# Altium PCB LimeSDR-X3_1v0.PcbDoc (part 15 of 25)
Units mm, origin at the board's own origin, x right, y up, seen from the top; angles counter-clockwise.
Board outline 232.5 x 111.15 mm, 12 copper layers (Top, L2, L3, L4, L5, L6, L7, L8, L9, L10, L11, Bottom), stack 1.596 mm thick; 2057 components, 1391 nets, 8880 pads, 3657 vias.
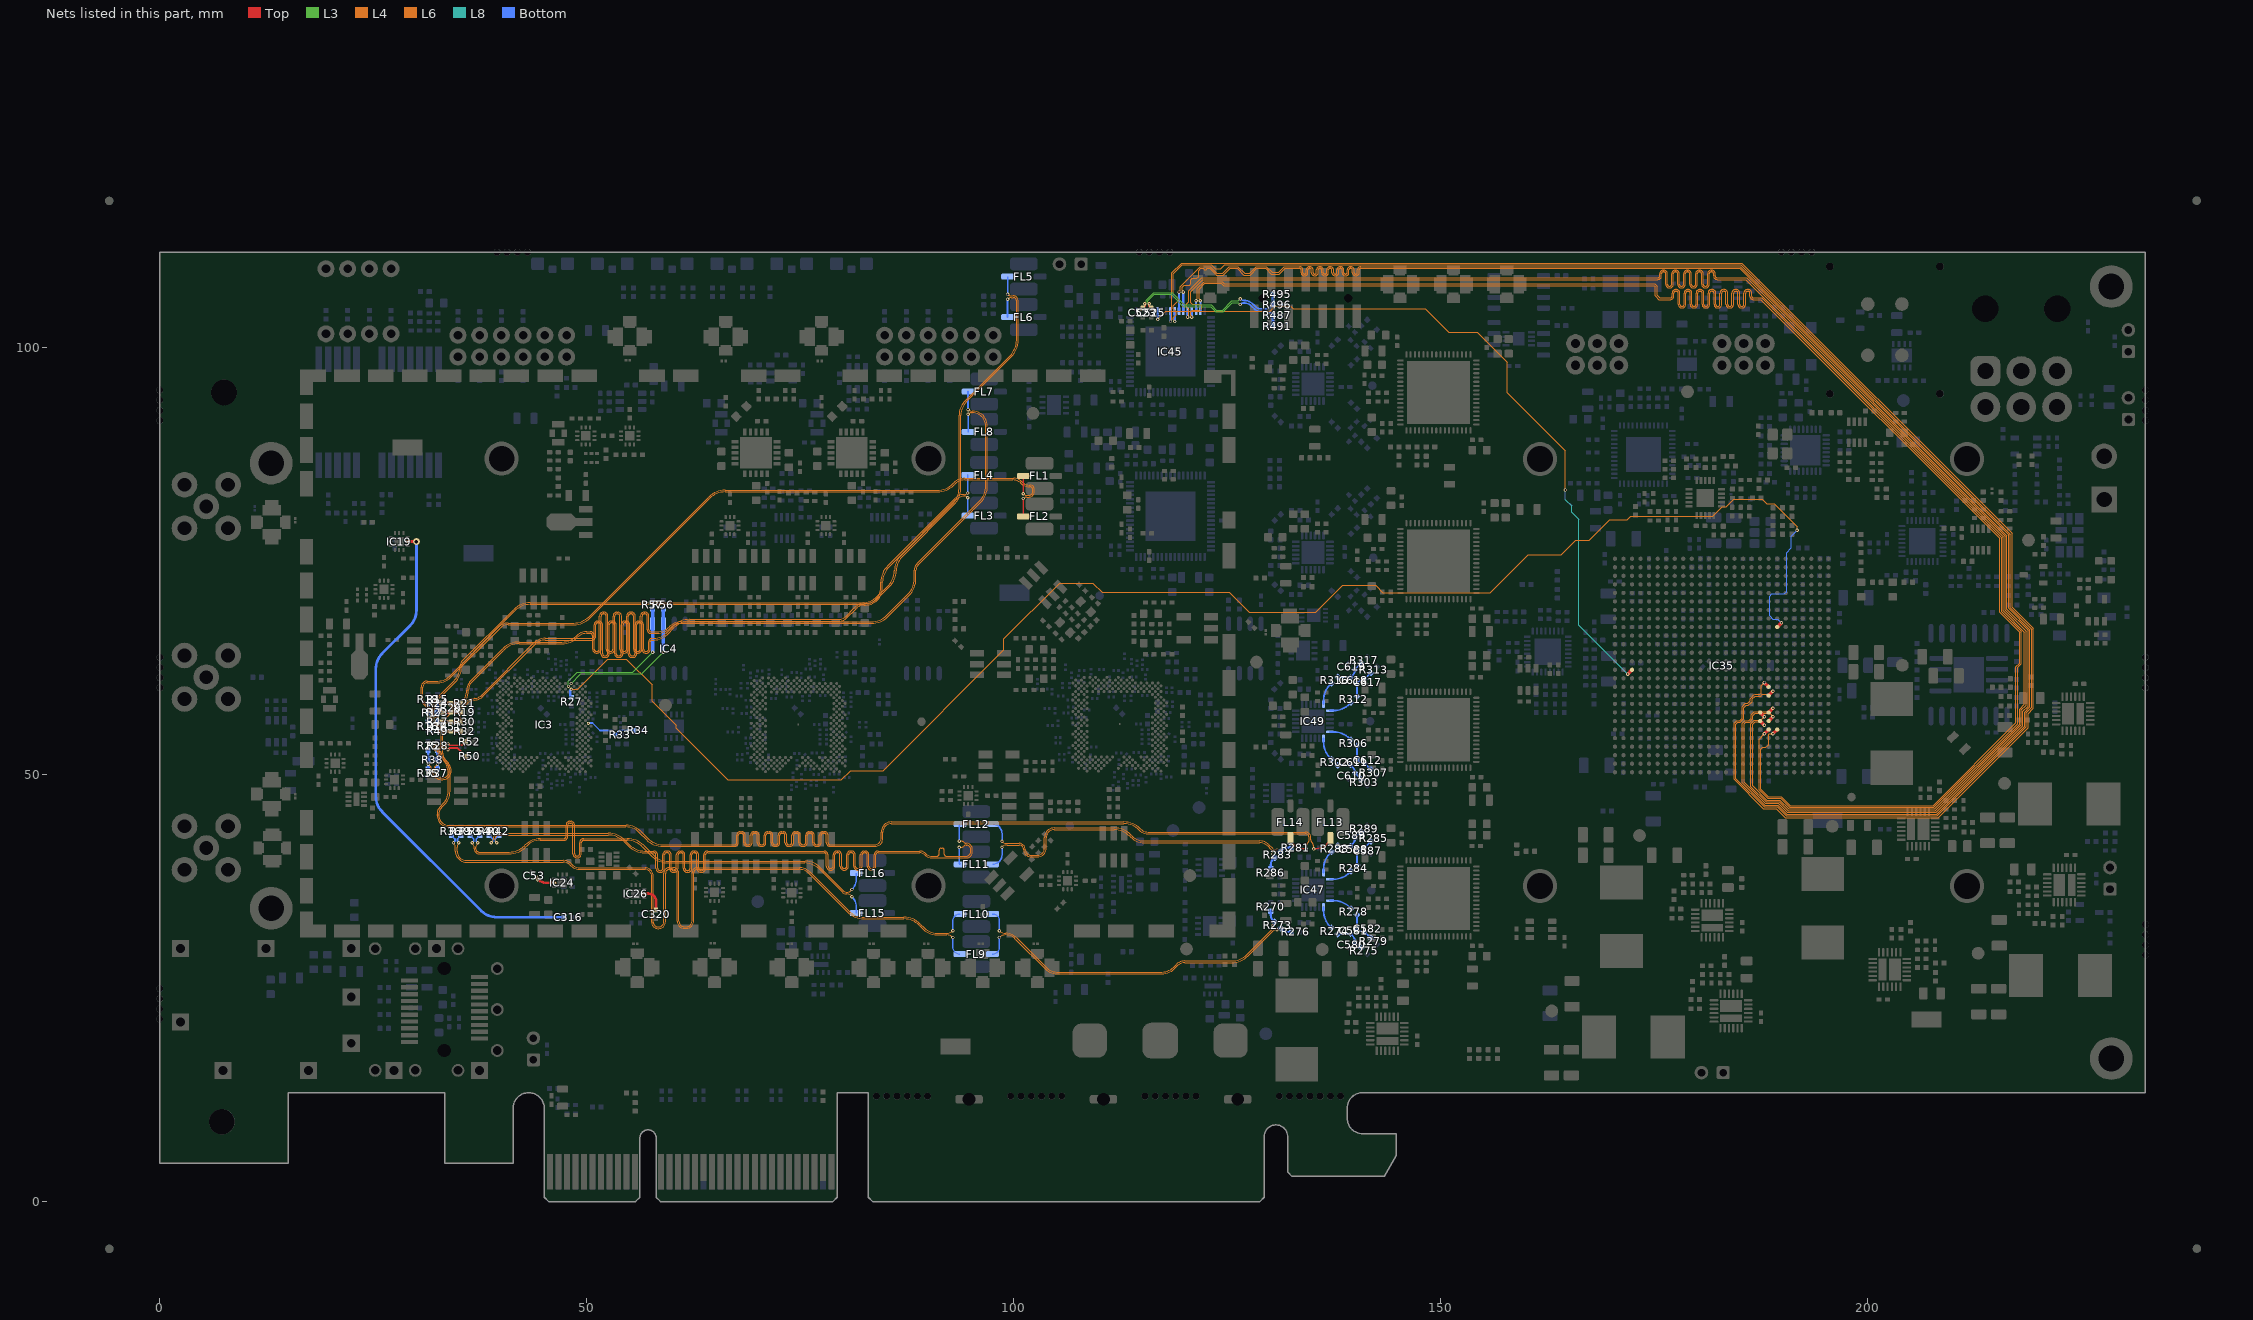
[diagram p25: the nets of this part, all layers, seen from the top]

## Via types
v1: diameter 0.4, hole 0.2, Top to Bottom, tented both sides, 3068 vias
v2: diameter 0.35, hole 0.2, Top to Bottom, tented both sides, 272 vias
v3: diameter 0.5, hole 0.2, Top to Bottom, tented bottom, 196 vias
v4: diameter 0.5, hole 0.2, Top to Bottom, tented both sides, 102 vias
v5: diameter 0.8, hole 0.4, Top to Bottom, tented both sides, 13 vias
v6: diameter 0.4, hole 0.2, Top to Bottom, tented top, 6 vias

## Nets (pads, with @x,y where several pads share a name; then routed paths per layer and width w, separated by ;. In a path a pad name is that pad's centre, name@x,y a point inside that pad or via, vN(x,y) a via of type N, cw(c..) or ccw(c..) an arc to the next point about the centre after c; other vN are vias at no path point) (continued)
LMS2_BB_DAC2_B13_N: IC35.F7 IC45.50 | length 197.1
  Top w0.4: v1(188.875,54.775) IC35.F7@189.375,55.275
  L4 w0.1: v1(121.828,105.503) 121.828,105.562 121.678,105.712 121.678,106.853 122.35,107.525 124.292,107.525 124.545,107.272 174.953,107.272 175.1,107.125 175.1,106.05 175.525,105.625 176.86,105.625 ccw(c176.86,106.04) 177.275,106.04 177.275,106.391 cw(c177.49,106.391) 177.49,106.606 177.56,106.606 cw(c177.56,106.391) 177.775,106.391 177.775,105.059 ccw(c178.19,105.059) 178.19,104.644 178.26,104.644 ccw(c178.26,105.059) 178.675,105.059 178.675,106.391 cw(c178.89,106.391) 178.89,106.606 178.96,106.606 cw(c178.96,106.391) 179.175,106.391 179.175,105.059 ccw(c179.59,105.059) 179.59,104.644 179.66,104.644 ccw(c179.66,105.059) 180.075,105.059 180.075,106.391 cw(c180.29,106.391) 180.29,106.606 180.36,106.606 cw(c180.36,106.391) 180.575,106.391 180.575,105.059 ccw(c180.99,105.059) 180.99,104.644 181.06,104.644 ccw(c181.06,105.059) 181.475,105.059 181.475,106.391 cw(c181.69,106.391) 181.69,106.606 181.76,106.606 cw(c181.76,106.391) 181.975,106.391 181.975,105.059 ccw(c182.39,105.059) 182.39,104.644 182.46,104.644 ccw(c182.46,105.059) 182.875,105.059 182.875,106.391 cw(c183.09,106.391) 183.09,106.606 183.16,106.606 cw(c183.16,106.391) 183.375,106.391 183.375,105.059 ccw(c183.79,105.059) 183.79,104.644 183.86,104.644 ccw(c183.86,105.059) 184.275,105.059 184.275,106.391 cw(c184.49,106.391) 184.49,106.606 184.56,106.606 cw(c184.56,106.391) 184.775,106.391 184.775,105.059 ccw(c185.19,105.059) 185.19,104.644 185.26,104.644 ccw(c185.26,105.059) 185.675,105.059 185.675,106.391 cw(c185.89,106.391) 185.89,106.606 185.96,106.606 cw(c185.96,106.391) 186.175,106.391 186.175,106.04 ccw(c186.59,106.04) 186.59,105.625 187.475,105.625 215.45,77.65 215.45,69.001 217.765,66.686 217.765,63.065 217.325,62.625 217.325,56.055 207.645,46.375 190.905,46.375 189.855,47.425 188.33,47.425 187.45,48.305 187.45,52.967 187.658,53.175 188.058,53.175 188.3,53.417 188.3,54.615 188.46,54.775 v1(188.875,54.775)
  Bottom w0.254: IC45.50@121.828,104.278 v1(121.828,105.503)
LMS2_BB_DAC2_B13_P: IC35.F8 IC45.49 | length 197.6
  Top w0.4: v1(187.875,54.775) IC35.F8@188.375,55.275
  L4 w0.1: v1(121.328,105.503) 121.328,105.562 121.478,105.712 121.478,106.936 122.267,107.725 122.45,107.725 124.375,107.725 124.628,107.472 174.886,107.472 175.036,107.472 175.3,107.208 175.3,107.058 175.3,106.133 175.608,105.825 176.86,105.825 ccw(c176.86,106.04) 177.075,106.04 177.075,106.391 cw(c177.49,106.391) 177.49,106.806 177.56,106.806 cw(c177.56,106.391) 177.975,106.391 177.975,105.059 ccw(c178.19,105.059) 178.19,104.844 178.26,104.844 ccw(c178.26,105.059) 178.475,105.059 178.475,106.391 cw(c178.89,106.391) 178.89,106.806 178.96,106.806 cw(c178.96,106.391) 179.375,106.391 179.375,105.059 ccw(c179.59,105.059) 179.59,104.844 179.66,104.844 ccw(c179.66,105.059) 179.875,105.059 179.875,106.391 cw(c180.29,106.391) 180.29,106.806 180.36,106.806 cw(c180.36,106.391) 180.775,106.391 180.775,105.059 ccw(c180.99,105.059) 180.99,104.844 181.06,104.844 ccw(c181.06,105.059) 181.275,105.059 181.275,106.391 cw(c181.69,106.391) 181.69,106.806 181.76,106.806 cw(c181.76,106.391) 182.175,106.391 182.175,105.059 ccw(c182.39,105.059) 182.39,104.844 182.46,104.844 ccw(c182.46,105.059) 182.675,105.059 182.675,106.391 cw(c183.09,106.391) 183.09,106.806 183.16,106.806 cw(c183.16,106.391) 183.575,106.391 183.575,105.059 ccw(c183.79,105.059) 183.79,104.844 183.86,104.844 ccw(c183.86,105.059) 184.075,105.059 184.075,106.391 cw(c184.49,106.391) 184.49,106.806 184.56,106.806 cw(c184.56,106.391) 184.975,106.391 184.975,105.059 ccw(c185.19,105.059) 185.19,104.844 185.26,104.844 ccw(c185.26,105.059) 185.475,105.059 185.475,106.391 cw(c185.89,106.391) 185.89,106.806 185.96,106.806 cw(c185.96,106.391) 186.375,106.391 186.375,106.04 ccw(c186.59,106.04) 186.59,105.825 187.558,105.825 215.65,77.733 215.65,69.084 217.965,66.769 217.965,62.982 217.525,62.542 217.525,55.972 207.728,46.175 190.822,46.175 189.772,47.225 188.247,47.225 187.25,48.222 187.25,54.15 v1(187.875,54.775)
  Bottom w0.254: IC45.49@121.328,104.278 v1(121.328,105.503)
LMS2_BB_DAC2_B14_N: IC35.G9 IC45.48 | length 197.5
  Top w0.4: IC35.G9@187.375,56.275 v1(187.875,55.775)
  L4 w0.1: v1(120.828,103.578) 120.828,103.636 120.678,103.786 120.678,104.15 120.876,104.348 121.723,104.348 121.975,104.6 121.975,104.873 121.773,105.075 120.856,105.075 120.678,105.253 120.678,106.57 122.083,107.975 175.405,107.975 ccw(c175.405,108.39) 175.82,108.39 175.82,108.656 cw(c176.035,108.656) 176.035,108.871 176.105,108.871 cw(c176.105,108.656) 176.32,108.656 176.32,107.407 ccw(c176.735,107.407) 176.735,106.992 176.805,106.992 ccw(c176.805,107.407) 177.22,107.407 177.22,108.656 cw(c177.435,108.656) 177.435,108.871 177.505,108.871 cw(c177.505,108.656) 177.72,108.656 177.72,107.407 ccw(c178.135,107.407) 178.135,106.992 178.205,106.992 ccw(c178.205,107.407) 178.62,107.407 178.62,108.656 cw(c178.835,108.656) 178.835,108.871 178.905,108.871 cw(c178.905,108.656) 179.12,108.656 179.12,107.407 ccw(c179.535,107.407) 179.535,106.992 179.605,106.992 ccw(c179.605,107.407) 180.02,107.407 180.02,108.656 cw(c180.235,108.656) 180.235,108.871 180.305,108.871 cw(c180.305,108.656) 180.52,108.656 180.52,107.407 ccw(c180.935,107.407) 180.935,106.992 181.005,106.992 ccw(c181.005,107.407) 181.42,107.407 181.42,108.656 cw(c181.635,108.656) 181.635,108.871 181.705,108.871 cw(c181.705,108.656) 181.92,108.656 181.92,108.39 ccw(c182.335,108.39) 182.335,107.975 185.7,107.975 215.85,77.825 215.85,69.167 218.325,66.692 218.325,58.224 217.75,57.649 217.75,55.914 207.811,45.975 190.739,45.975 189.689,47.025 188.164,47.025 186.5,48.689 186.5,55.9 186.775,56.175 187.475,56.175 v1(187.875,55.775)
  Bottom w0.25: v1(120.828,103.578) IC45.48@120.828,104.278
LMS2_BB_DAC2_B14_P: IC35.H9 IC45.47 | length 197.2
  Top w0.4: IC35.H9@187.375,57.275 v1(187.875,56.775)
  L4 w0.1: v1(120.328,103.578) 120.328,103.636 120.478,103.786 120.478,104.503 120.2,104.781 120.2,105.1 120.478,105.378 120.478,106.653 122,108.175 122.941,108.175 175.405,108.175 ccw(c175.405,108.39) 175.62,108.39 175.62,108.656 cw(c176.035,108.656) 176.035,109.071 176.105,109.071 cw(c176.105,108.656) 176.52,108.656 176.52,107.407 ccw(c176.735,107.407) 176.735,107.192 176.805,107.192 ccw(c176.805,107.407) 177.02,107.407 177.02,108.656 cw(c177.435,108.656) 177.435,109.071 177.505,109.071 cw(c177.505,108.656) 177.92,108.656 177.92,107.407 ccw(c178.135,107.407) 178.135,107.192 178.205,107.192 ccw(c178.205,107.407) 178.42,107.407 178.42,108.656 cw(c178.835,108.656) 178.835,109.071 178.905,109.071 cw(c178.905,108.656) 179.32,108.656 179.32,107.407 ccw(c179.535,107.407) 179.535,107.192 179.605,107.192 ccw(c179.605,107.407) 179.82,107.407 179.82,108.656 cw(c180.235,108.656) 180.235,109.071 180.305,109.071 cw(c180.305,108.656) 180.72,108.656 180.72,107.407 ccw(c180.935,107.407) 180.935,107.192 181.005,107.192 ccw(c181.005,107.407) 181.22,107.407 181.22,108.656 cw(c181.635,108.656) 181.635,109.071 181.705,109.071 cw(c181.705,108.656) 182.12,108.656 182.12,108.39 ccw(c182.335,108.39) 182.335,108.175 185.783,108.175 216.05,77.908 216.05,69.25 218.525,66.775 218.525,58.141 217.95,57.566 217.95,55.831 207.894,45.775 190.656,45.775 189.606,46.825 188.081,46.825 186.3,48.606 186.3,55.983 186.692,56.375 187.475,56.375 v1(187.875,56.775)
  Bottom w0.25: v1(120.328,103.578) IC45.47@120.328,104.278
LMS2_BB_DAC2_B15_N: IC35.G8 IC45.46 | length 197.1
  Top w0.4: IC35.G8@188.375,56.275 v1(188.875,56.775)
  L4 w0.1: v1(119.828,106.503) 119.828,106.562 119.678,106.712 119.678,107.053 119.94,107.315 120.565,107.315 120.7,107.45 120.7,107.925 120.875,108.1 121.4,108.1 121.625,108.325 121.625,109 121.897,109.272 122.148,109.272 122.295,109.125 122.505,109.125 122.652,109.272 122.903,109.272 123.55,108.625 123.675,108.5 124.533,108.5 124.658,108.625 125.305,109.272 126.15,109.272 126.922,108.5 127.683,108.5 127.783,108.6 128.455,109.272 129.475,109.272 130.147,108.6 131.083,108.6 131.755,109.272 133.455,109.272 cw(c133.455,109.102) 133.625,109.102 133.625,108.785 ccw(c133.995,108.785) 133.995,108.415 134.055,108.415 ccw(c134.055,108.785) 134.425,108.785 134.425,109.102 cw(c134.595,109.102) 134.595,109.272 134.655,109.272 cw(c134.655,109.102) 134.825,109.102 134.825,108.785 ccw(c135.195,108.785) 135.195,108.415 135.255,108.415 ccw(c135.255,108.785) 135.625,108.785 135.625,109.102 cw(c135.795,109.102) 135.795,109.272 135.855,109.272 cw(c135.855,109.102) 136.025,109.102 136.025,108.785 ccw(c136.395,108.785) 136.395,108.415 136.455,108.415 ccw(c136.455,108.785) 136.825,108.785 136.825,109.102 cw(c136.995,109.102) 136.995,109.272 137.055,109.272 cw(c137.055,109.102) 137.225,109.102 137.225,108.785 ccw(c137.595,108.785) 137.595,108.415 137.655,108.415 ccw(c137.655,108.785) 138.025,108.785 138.025,109.102 cw(c138.195,109.102) 138.195,109.272 138.255,109.272 cw(c138.255,109.102) 138.425,109.102 138.425,108.785 ccw(c138.795,108.785) 138.795,108.415 138.855,108.415 ccw(c138.855,108.785) 139.225,108.785 139.225,109.102 cw(c139.395,109.102) 139.395,109.272 139.455,109.272 cw(c139.455,109.102) 139.625,109.102 139.625,108.785 ccw(c139.995,108.785) 139.995,108.415 140.055,108.415 ccw(c140.055,108.785) 140.425,108.785 140.425,109.102 cw(c140.595,109.102) 140.595,109.272 184.978,109.272 216.275,77.975 216.275,69.375 218.775,66.875 218.775,58.024 218.15,57.399 218.15,55.749 207.976,45.575 190.574,45.575 189.524,46.625 187.999,46.625 185.5,49.124 185.5,55.941 185.684,56.125 186.133,56.125 186.525,56.517 186.525,56.92 186.78,57.175 187.079,57.175 188.475,57.175 v1(188.875,56.775)
  Bottom w0.254: IC45.46@119.828,104.278 v1(119.828,106.503)
LMS2_BB_DAC2_B15_P: IC35.H8 IC45.45 | length 198.2
  Top w0.4: IC35.H8@188.375,57.275 v1(188.875,57.775)
  L4 w0.1: v1(119.328,106.503) 119.328,106.562 119.478,106.712 119.478,106.794 ; v1@119.478,106.629 119.478,106.794 ; v1(188.875,57.775) 188.475,57.375 187.079,57.375 186.697,57.375 186.325,57.003 186.325,56.6 186.05,56.325 185.601,56.325 185.3,56.024 185.3,49.041 187.916,46.425 189.441,46.425 190.491,45.375 208.059,45.375 218.35,55.666 218.35,57.316 218.975,57.941 218.975,66.959 216.475,69.459 216.475,69.475 216.475,78.058 185.061,109.472 176.563,109.472 140.595,109.472 ccw(c140.595,109.102) 140.225,109.102 140.225,108.785 cw(c140.055,108.785) 140.055,108.615 139.995,108.615 cw(c139.995,108.785) 139.825,108.785 139.825,109.102 ccw(c139.455,109.102) 139.455,109.472 139.395,109.472 ccw(c139.395,109.102) 139.025,109.102 139.025,108.785 cw(c138.855,108.785) 138.855,108.615 138.795,108.615 cw(c138.795,108.785) 138.625,108.785 138.625,109.102 ccw(c138.255,109.102) 138.255,109.472 138.195,109.472 ccw(c138.195,109.102) 137.825,109.102 137.825,108.785 cw(c137.655,108.785) 137.655,108.615 137.595,108.615 cw(c137.595,108.785) 137.425,108.785 137.425,109.102 ccw(c137.055,109.102) 137.055,109.472 136.995,109.472 ccw(c136.995,109.102) 136.625,109.102 136.625,108.785 cw(c136.455,108.785) 136.455,108.615 136.395,108.615 cw(c136.395,108.785) 136.225,108.785 136.225,109.102 ccw(c135.855,109.102) 135.855,109.472 135.795,109.472 ccw(c135.795,109.102) 135.425,109.102 135.425,108.785 cw(c135.255,108.785) 135.255,108.615 135.195,108.615 cw(c135.195,108.785) 135.025,108.785 135.025,109.102 ccw(c134.655,109.102) 134.655,109.472 134.595,109.472 ccw(c134.595,109.102) 134.225,109.102 134.225,108.785 cw(c134.055,108.785) 134.055,108.615 133.995,108.615 cw(c133.995,108.785) 133.825,108.785 133.825,109.102 ccw(c133.455,109.102) 133.455,109.472 131.942,109.472 131.672,109.472 131,108.8 130.23,108.8 129.558,109.472 128.372,109.472 127.6,108.7 127.005,108.7 126.233,109.472 125.222,109.472 124.45,108.7 123.758,108.7 122.986,109.472 121.797,109.472 119.478,107.153 119.478,106.794
  Bottom w0.254: IC45.45@119.328,104.278 v1(119.328,106.503)
LMS2_BB_DAC2_CLK_N: C523.2 R495.2 R496.2 | length 19.5
  Top w0.25: C523.2@115.078,104.603 115.328,104.853 v1(115.328,105.153)
  L3 w0.1: v1(115.328,105.153) 115.478,105.303 115.478,105.545 116.358,106.425 117.858,106.425 118.508,106.425 119.933,105 123.1,105 123.7,104.4 124.424,104.4 125.499,105.475 126.271,105.475 v1(126.498,105.702)
  Bottom w0.2: v1(126.498,105.702) ccw(c126.925,106.129) 126.925,105.525 cw(c126.925,103.956) 128.035,105.065 128.375,104.725 ccw(c128.801,105.151) 128.801,104.549 129.45,104.549 ccw(c129.45,105.518) 130.135,104.832 R496.2@130.325,105.022
  Bottom w0.325: R496.2@130.325,105.022 R495.2@130.325,106.269
LMS2_BB_DAC2_CLK_P: C525.2 R487.2 R491.2 | length 19.1
  Top w0.25: v1(115.828,105.153) 115.828,104.853 C525.2@116.078,104.603
  L3 w0.1: v1(115.828,105.153) 115.678,105.303 115.678,105.462 116.441,106.225 118.425,106.225 119.85,104.8 123.017,104.8 123.617,104.2 124.506,104.2 125.581,105.275 126.271,105.275 v1(126.498,105.048)
  Bottom w0.2: v1(126.498,105.048) cw(c126.925,104.621) 126.925,105.225 cw(c126.925,103.956) 127.822,104.853 128.163,104.513 ccw(c128.801,105.151) 128.801,104.249 129.45,104.249 cw(c129.45,103.279) 130.135,103.965 R487.2@130.325,103.775
  Bottom w0.325: R491.2@130.325,102.528 R487.2@130.325,103.775
LMS2_BB_DAC2_PD: IC35.N24 IC45.40 | length 88.3
  Top w0.4: v1(171.875,61.775) IC35.N24@172.375,62.275
  L8 w0.1: v1(164.575,83.325) 164.575,82.2 165.312,81.463 165.312,80.713 166.15,79.875 166.15,67.5 v1(171.875,61.775)
  L6 w0.1: v1(116.828,103.303) 117.775,104.25 130,104.25 130.6,104.85 132.425,104.85 132.725,104.55 148.175,104.55 150.9,101.825 154.25,101.825 157.775,98.3 157.775,94.7 164.575,87.9 v1(164.575,83.325)
  Bottom w0.254: v1(116.828,103.303) IC45.40@116.828,104.278
LMS2_BB_DAC2_SELIQ_N: IC35.K8 IC45.44 | length 197.5
  Top w0.4: IC35.K8@188.375,59.275 v1(188.875,59.775)
  L4 w0.1: v1(118.828,103.053) 118.828,103.111 118.678,103.261 118.678,103.475 119.025,103.822 119.025,104.2 118.678,104.547 118.678,104.928 119.225,105.475 119.225,105.775 118.678,106.322 118.678,108.67 119.708,109.7 123.103,109.7 123.578,109.225 124.225,109.225 124.7,109.7 124.925,109.7 185.125,109.7 216.675,78.15 216.675,69.542 219.175,67.042 219.175,57.858 218.55,57.233 218.55,55.583 208.142,45.175 190.408,45.175 189.358,46.225 187.833,46.225 184.525,49.533 184.525,55.879 184.525,55.92 184.73,56.125 185.058,56.125 185.456,56.523 185.456,57.851 185.733,58.128 186.006,58.128 186.425,58.547 186.425,58.817 186.525,58.917 186.525,58.92 186.73,59.125 186.733,59.125 186.808,59.2 187.441,59.2 187.641,59.4 188.5,59.4 v1(188.875,59.775)
  Bottom w0.254: v1(118.828,103.053) IC45.44@118.828,104.278
LMS2_BB_DAC2_SELIQ_P: IC35.L8 IC45.43 | length 197.9
  Top w0.4: v1(187.875,60.775) IC35.L8@188.375,60.275
  L4 w0.1: v1(118.328,103.053) 118.328,103.111 118.478,103.261 118.478,108.753 119.625,109.9 122.15,109.9 185.208,109.9 216.875,78.233 216.875,69.625 219.375,67.125 219.375,57.775 218.75,57.15 218.75,55.5 208.225,44.975 190.325,44.975 189.275,46.025 187.75,46.025 184.325,49.45 184.325,55.961 184.325,56.003 184.647,56.325 184.975,56.325 185.256,56.606 185.256,57.934 185.651,58.328 185.923,58.328 186.225,58.63 186.225,58.9 186.325,59 186.325,59.003 186.647,59.325 186.65,59.325 186.725,59.4 187.359,59.4 187.5,59.541 187.5,60.4 v1(187.875,60.775)
  Bottom w0.254: v1(118.328,103.053) IC45.43@118.328,104.278
LMS2_BB_DRV1A_N: IC47.19 R274.2 | length 2.7
  Bottom w0.2: IC47.19@136.25,34.5 136.25,34.039 ccw(c138.79,34.039) 136.994,32.243 R274.2@137.2,32.037
LMS2_BB_DRV1A_P: IC47.18 R278.2 | length 2.7
  Bottom w0.2: IC47.18@137,35.25 137.461,35.25 cw(c137.461,32.71) 139.257,34.506 R278.2@139.463,34.3
LMS2_BB_DRV1AC_N: C580.1 C581.1 R274.1 R275.2 | length 3.7
  Bottom w0.2: R274.1@137.907,31.33 139.392,31.33 C581.1@139.427,31.365 139.622,31.17 cw(c138.898,30.446) C580.1@139.922,30.446 R275.2@140.665,29.704
LMS2_BB_DRV1AC_P: C581.2 C582.2 R278.1 R279.2 | length 3.7
  Bottom w0.2: R278.1@140.17,33.593 140.17,32.108 C581.2@140.135,32.073 140.33,31.878 ccw(c141.054,32.602) C582.2@141.054,31.578 R279.2@141.796,30.835
LMS2_BB_DRV1B_N: IC47.13 R284.2 | length 2.7
  Bottom w0.2: IC47.13@137,37.75 137.461,37.75 ccw(c137.461,40.29) 139.257,38.494 R284.2@139.463,38.7
LMS2_BB_DRV1B_P: IC47.12 R288.2 | length 2.7
  Bottom w0.2: IC47.12@136.25,38.5 136.25,38.961 cw(c138.79,38.961) 136.994,40.757 R288.2@137.2,40.963
LMS2_BB_DRV1BC_N: C587.1 C588.1 R284.1 R285.2 | length 3.7
  Bottom w0.2: R284.1@140.17,39.407 140.17,40.892 C588.1@140.135,40.927 140.33,41.122 cw(c141.054,40.398) C587.1@141.054,41.422 R285.2@141.796,42.165
LMS2_BB_DRV1BC_P: C588.2 C589.2 R288.1 R289.2 | length 3.7
  Bottom w0.2: R288.1@137.907,41.67 139.392,41.67 C588.2@139.427,41.635 139.622,41.83 ccw(c138.898,42.554) C589.2@139.922,42.554 R289.2@140.665,43.296
LMS2_BB_DRV2A_N: IC49.19 R302.2 | length 2.7
  Bottom w0.2: IC49.19@136.25,54.25 136.25,53.789 ccw(c138.79,53.789) 136.994,51.993 R302.2@137.2,51.787
LMS2_BB_DRV2A_P: IC49.18 R306.2 | length 2.7
  Bottom w0.2: IC49.18@137,55 137.461,55 cw(c137.461,52.46) 139.257,54.256 R306.2@139.463,54.05
LMS2_BB_DRV2AC_N: C610.1 C611.1 R302.1 R303.2 | length 3.7
  Bottom w0.2: R302.1@137.907,51.08 139.392,51.08 C611.1@139.427,51.115 139.622,50.92 cw(c138.898,50.196) C610.1@139.922,50.196 R303.2@140.665,49.454
LMS2_BB_DRV2AC_P: C611.2 C612.2 R306.1 R307.2 | length 3.7
  Bottom w0.2: R306.1@140.17,53.343 140.17,51.858 C611.2@140.135,51.823 140.33,51.628 ccw(c141.054,52.352) C612.2@141.054,51.328 R307.2@141.796,50.585
LMS2_BB_DRV2B_N: IC49.13 R312.2 | length 2.7
  Bottom w0.2: IC49.13@137,57.5 137.461,57.5 ccw(c137.461,60.04) 139.257,58.244 R312.2@139.463,58.45
LMS2_BB_DRV2B_P: IC49.12 R316.2 | length 2.7
  Bottom w0.2: IC49.12@136.25,58.25 136.25,58.711 cw(c138.79,58.711) 136.994,60.507 R316.2@137.2,60.713
LMS2_BB_DRV2BC_N: C617.1 C618.1 R312.1 R313.2 | length 3.7
  Bottom w0.2: R312.1@140.17,59.157 140.17,60.642 C618.1@140.135,60.677 140.33,60.872 cw(c141.054,60.148) C617.1@141.054,61.172 R313.2@141.796,61.915
LMS2_BB_DRV2BC_P: C618.2 C619.2 R316.1 R317.2 | length 3.7
  Bottom w0.2: R316.1@137.907,61.42 139.392,61.42 C618.2@139.427,61.385 139.622,61.58 ccw(c138.898,62.304) 139.922,62.304 R317.2@140.665,63.046
LMS2_CORE_LDO_EN: IC3.U33 R33.1 R34.2 | length 6.1
  Bottom w0.15: R33.1@53.381,54.694 53.856,55.169 R34.2@55.491,55.169
  Bottom w0.2: v2(50.157,56.006) 50.199,56.048 50.645,56.048 51.524,55.169 52.906,55.169 R33.1@53.381,54.694
LMS2_I2C_SCL: IC3.C27 IC4.6 R56.2 | length 17.4
  L3 w0.1: v2(48.159,60.668) 49.273,61.782 56.416,61.782 v1(58.956,64.322)
  Bottom w0.4: v1(58.956,64.322) IC4.6@58.956,67.657 R56.2@58.956,69.397
LMS2_I2C_SDA: IC3.D26 IC4.5 R57.2 | length 16.9
  L3 w0.1: v2(47.826,60.335) 47.826,60.942 48.891,62.007 55.371,62.007 v1(57.686,64.322)
  Bottom w0.4: v1(57.686,64.322) IC4.5@57.686,67.657 R57.2@57.686,69.397
LMS2_IC_RX1_BB_I_N: FL10.1 R39.2 | length 91.8
  L6 w0.1: v1(35,42.025) ccw(c35.513,41.512) 34.787,41.512 34.787,41.025 ccw(c35.863,41.025) 35.863,39.95 47.252,39.95 cw(c47.252,38.729) 48.116,39.592 48.207,39.501 ccw(c49.175,40.469) 49.172,39.1 ccw(c49.175,40.469) 49.175,39.1 56.8,39.1 cw(c56.8,38.125) 57.775,38.125 57.775,32.7 ccw(c58.3,32.7) 58.3,32.175 58.425,32.175 ccw(c58.425,32.75) 59,32.75 59,38.465 cw(c59.635,38.465) 59.635,39.1 60.05,39.1 cw(c60.05,38.375) 60.775,38.375 60.775,32.8 ccw(c61.375,32.8) 61.375,32.2 61.675,32.2 ccw(c61.675,32.825) 62.3,32.825 62.3,38.505 cw(c62.895,38.505) 62.895,39.1 74.918,39.1 cw(c74.918,37.436) 76.095,38.613 80.664,34.044 ccw(c82.46,35.84) 82.46,33.3 87.116,33.3 cw(c87.116,30.562) 89.052,32.498 89.5,32.05 ccw(c91.009,33.559) 91.009,31.425 92.126,31.425 ccw(c92.126,32.449) v1(92.85,31.725)
  Bottom w0.15: v1(92.85,31.725) 92.85,32.85 cw(c93.675,32.85) 93.675,33.675 FL10.1@93.7,33.675
  Bottom w0.2: v1(35,42.025) 34.837,42.188 34.837,42.463 R39.2@35.25,42.875
LMS2_IC_RX1_BB_I_P: FL9.1 R36.2 | length 92.1
  L6 w0.1: v1(34.375,42.025) cw(c33.862,41.512) 34.587,41.512 34.588,41.025 ccw(c35.863,41.025) 35.863,39.75 40.896,39.75 ; 40.894,39.75 ccw(c40.896,42.171) 40.896,39.75 ; v1(92.85,30.925) ccw(c92.126,30.201) 92.126,31.225 91.008,31.225 cw(c91.008,33.556) 89.359,31.908 88.911,32.356 ccw(c87.115,30.56) 87.115,33.1 82.459,33.1 cw(c82.459,35.838) 80.523,33.902 76.013,38.413 ccw(c74.836,37.236) 74.836,38.9 62.9,38.9 ccw(c62.9,38.5) 62.5,38.5 62.5,32.825 cw(c61.675,32.825) 61.675,32 61.375,32 cw(c61.375,32.8) 60.575,32.8 60.575,38.375 ccw(c60.05,38.375) 60.05,38.9 59.65,38.9 ccw(c59.65,38.45) 59.2,38.45 59.2,32.75 cw(c58.425,32.75) 58.425,31.975 58.3,31.975 cw(c58.3,32.7) 57.575,32.7 57.575,38.125 ccw(c56.8,38.125) 56.8,38.9 49.092,38.9 cw(c49.092,40.269) 49.09,38.9 cw(c49.092,40.269) 48.124,39.301 47.976,39.449 ccw(c47.251,38.726) 47.251,39.75 40.896,39.75